# Altium PCB QCPower Rev A.PcbDoc (part 1 of 5) (continued)
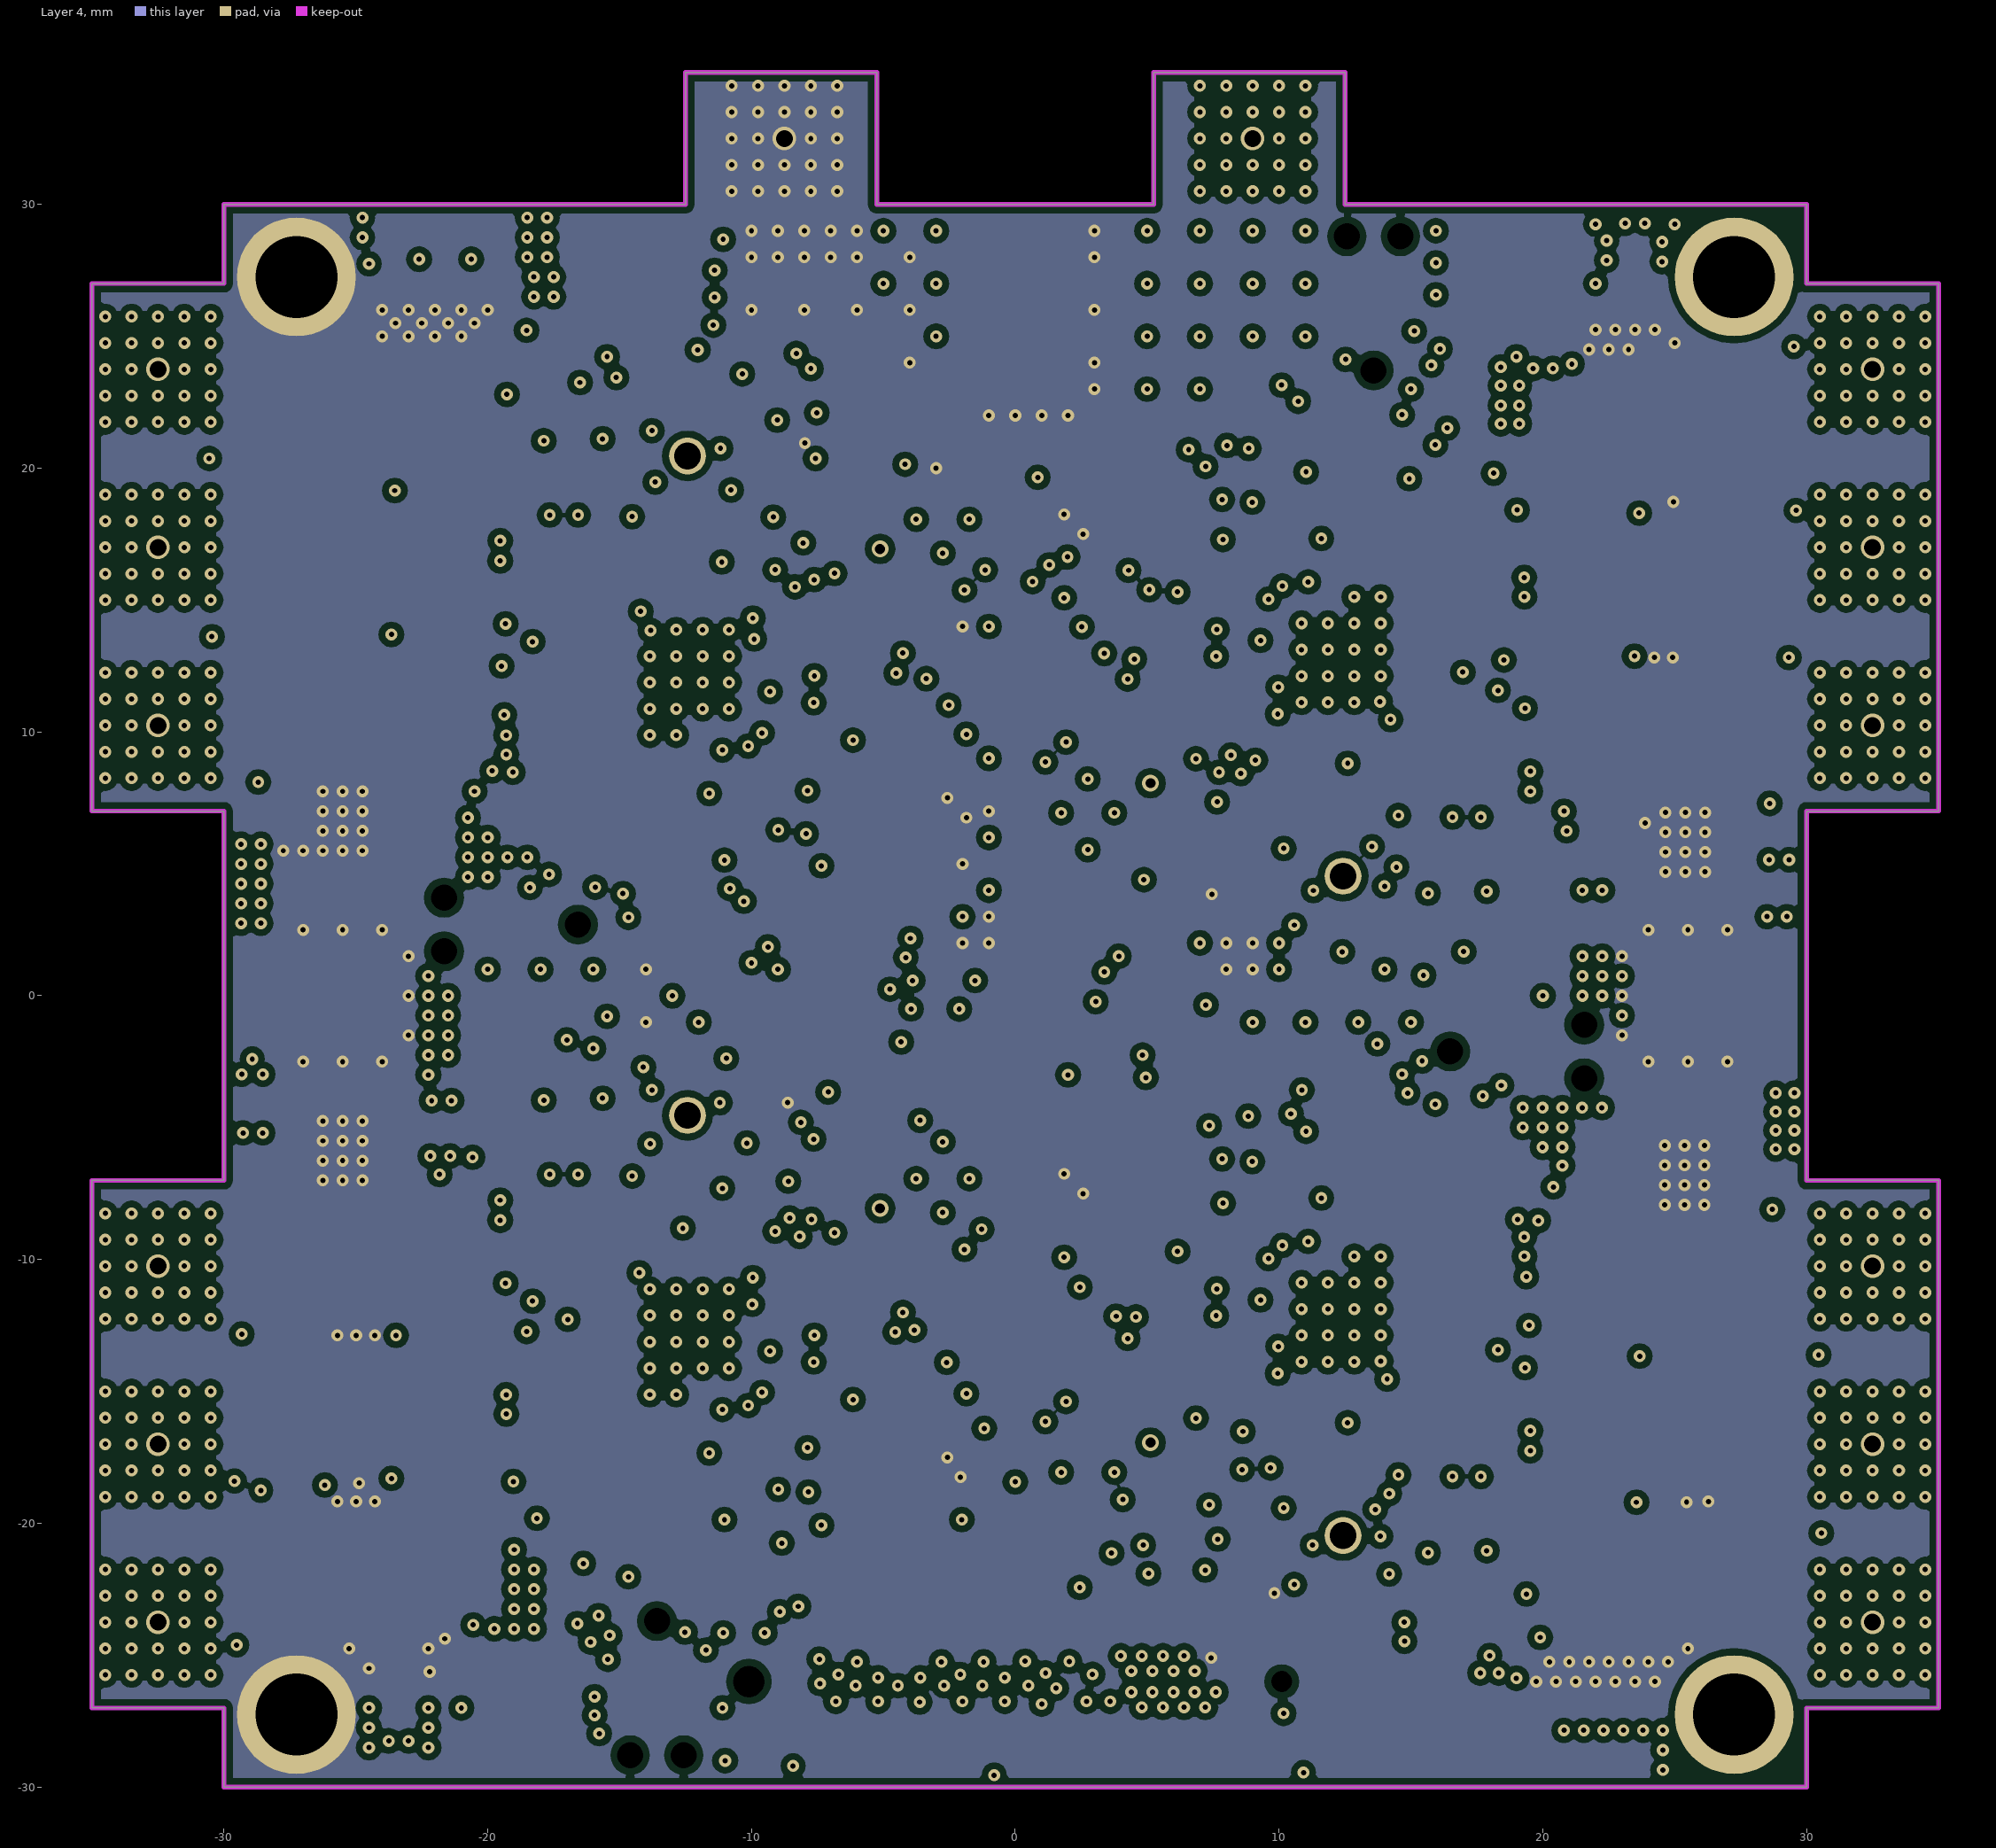
[diagram p4: Layer 4]
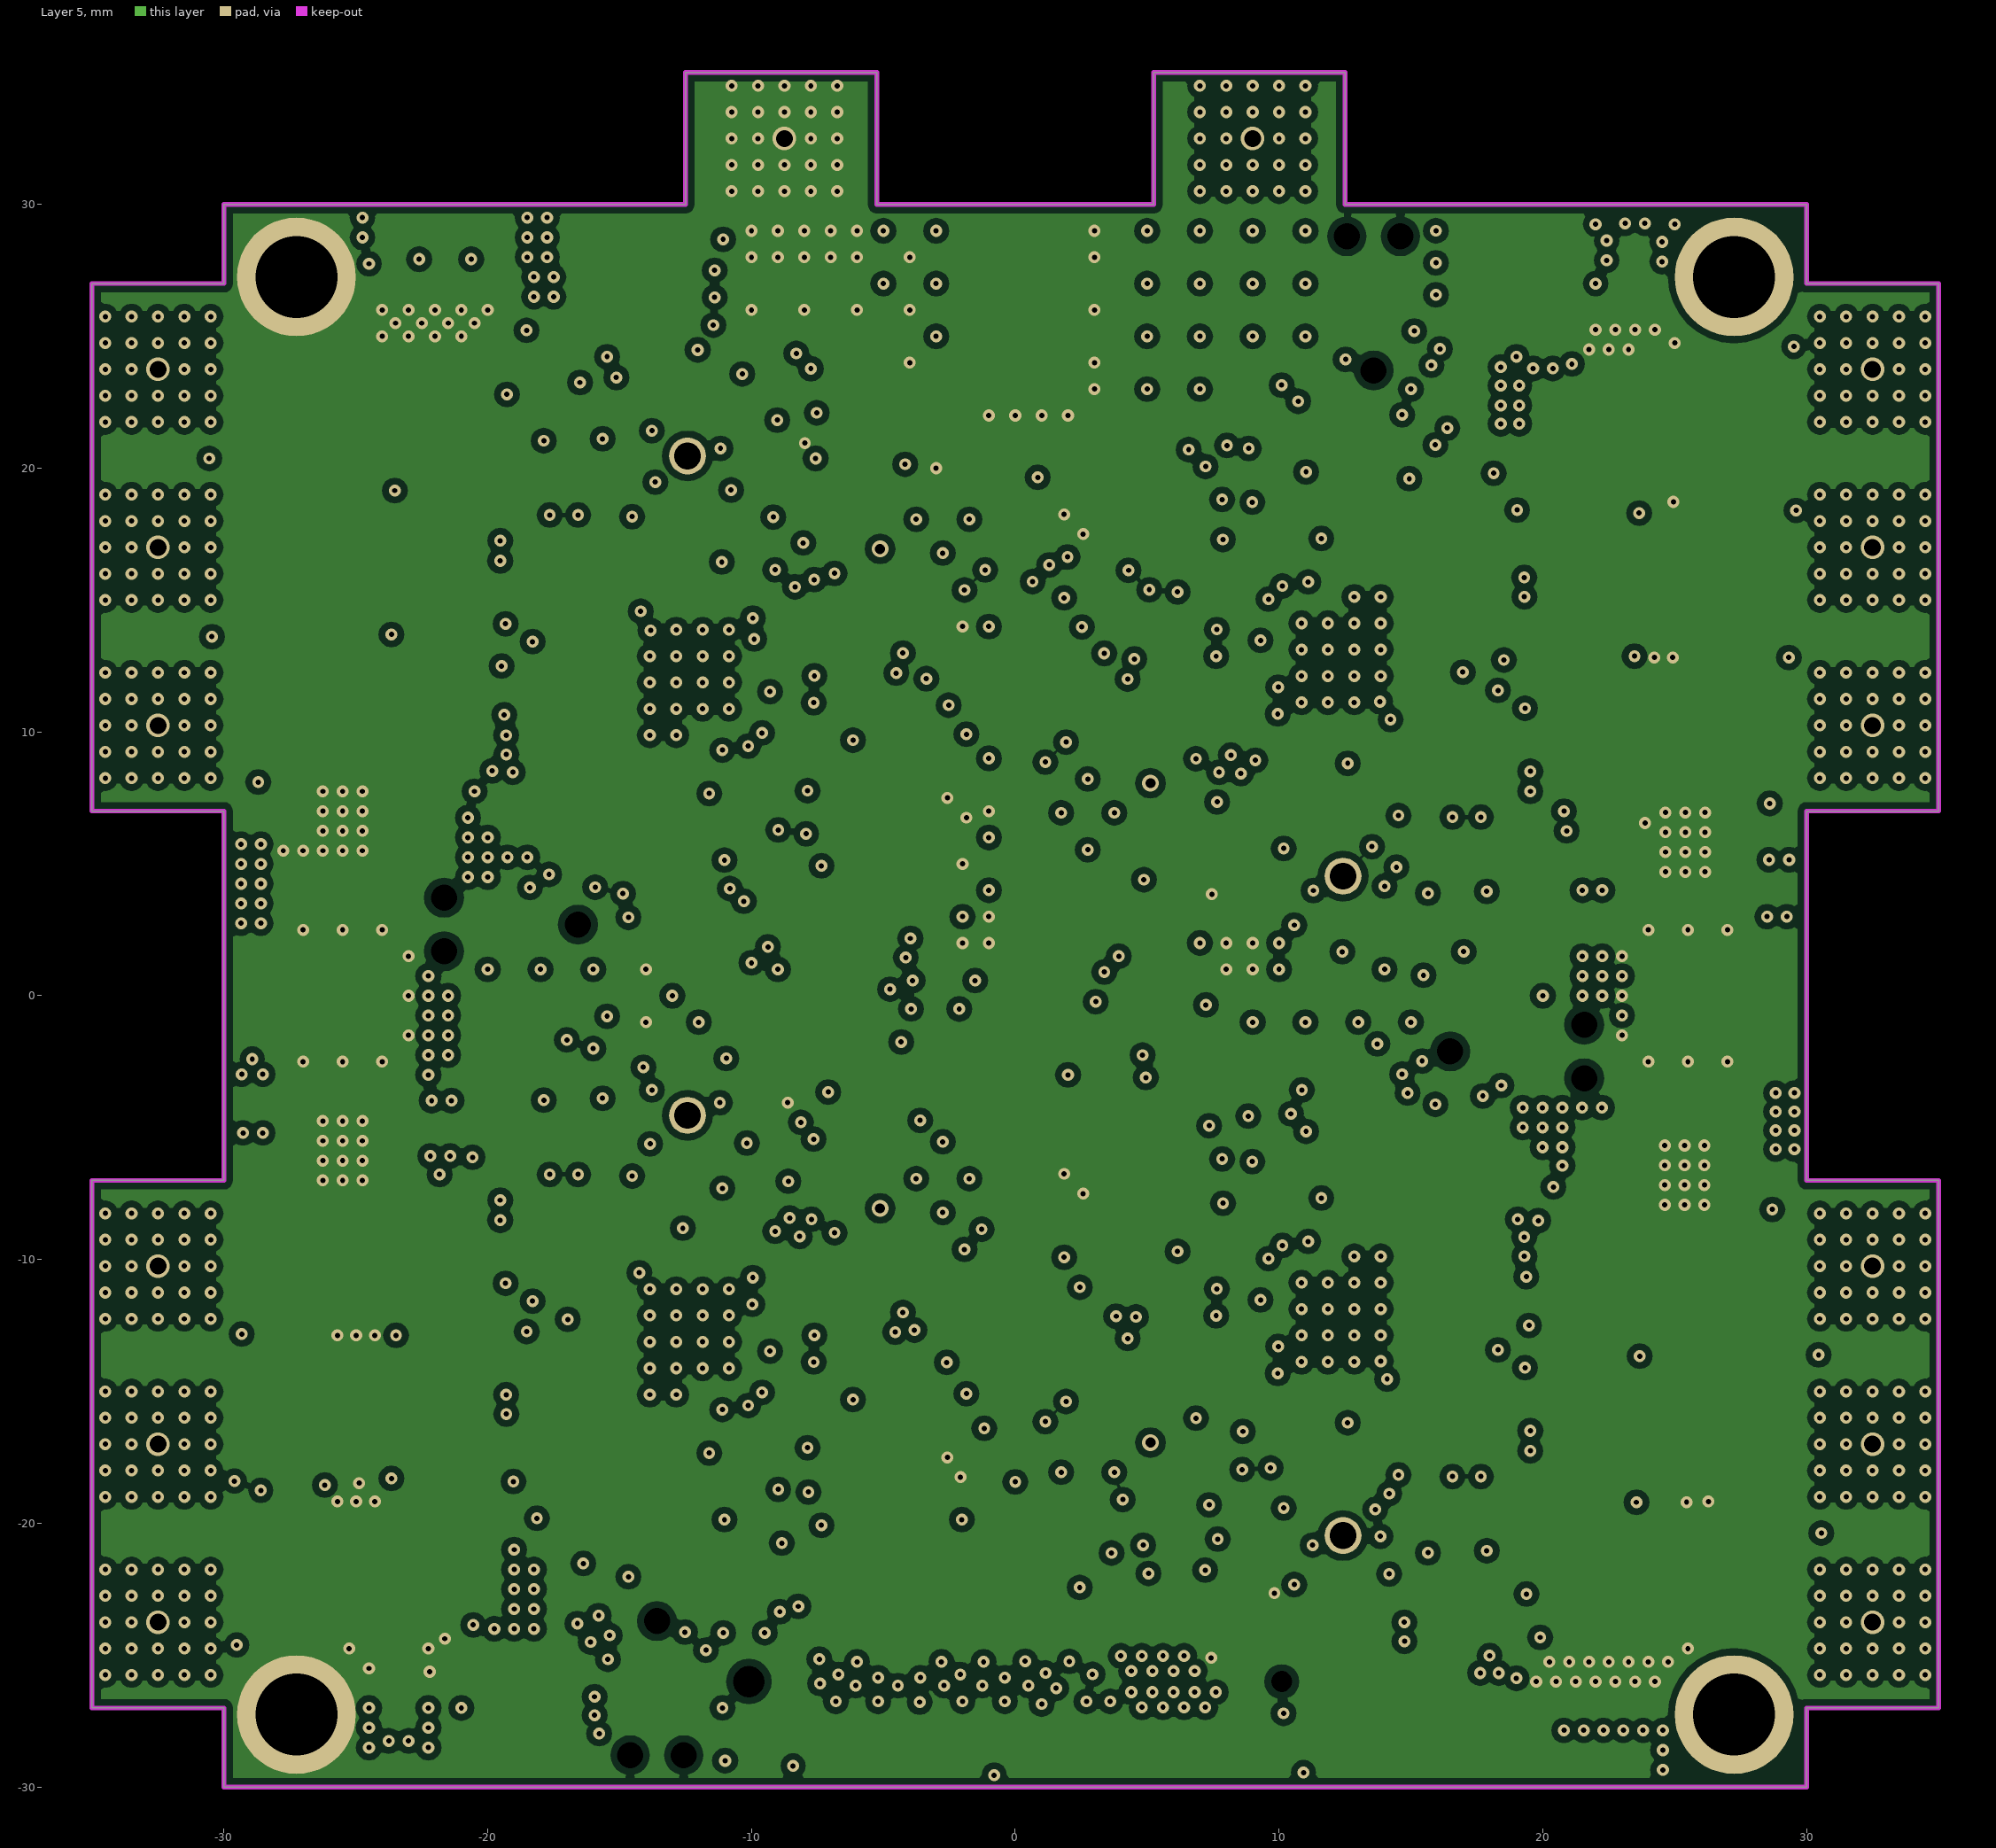
[diagram p5: Layer 5]
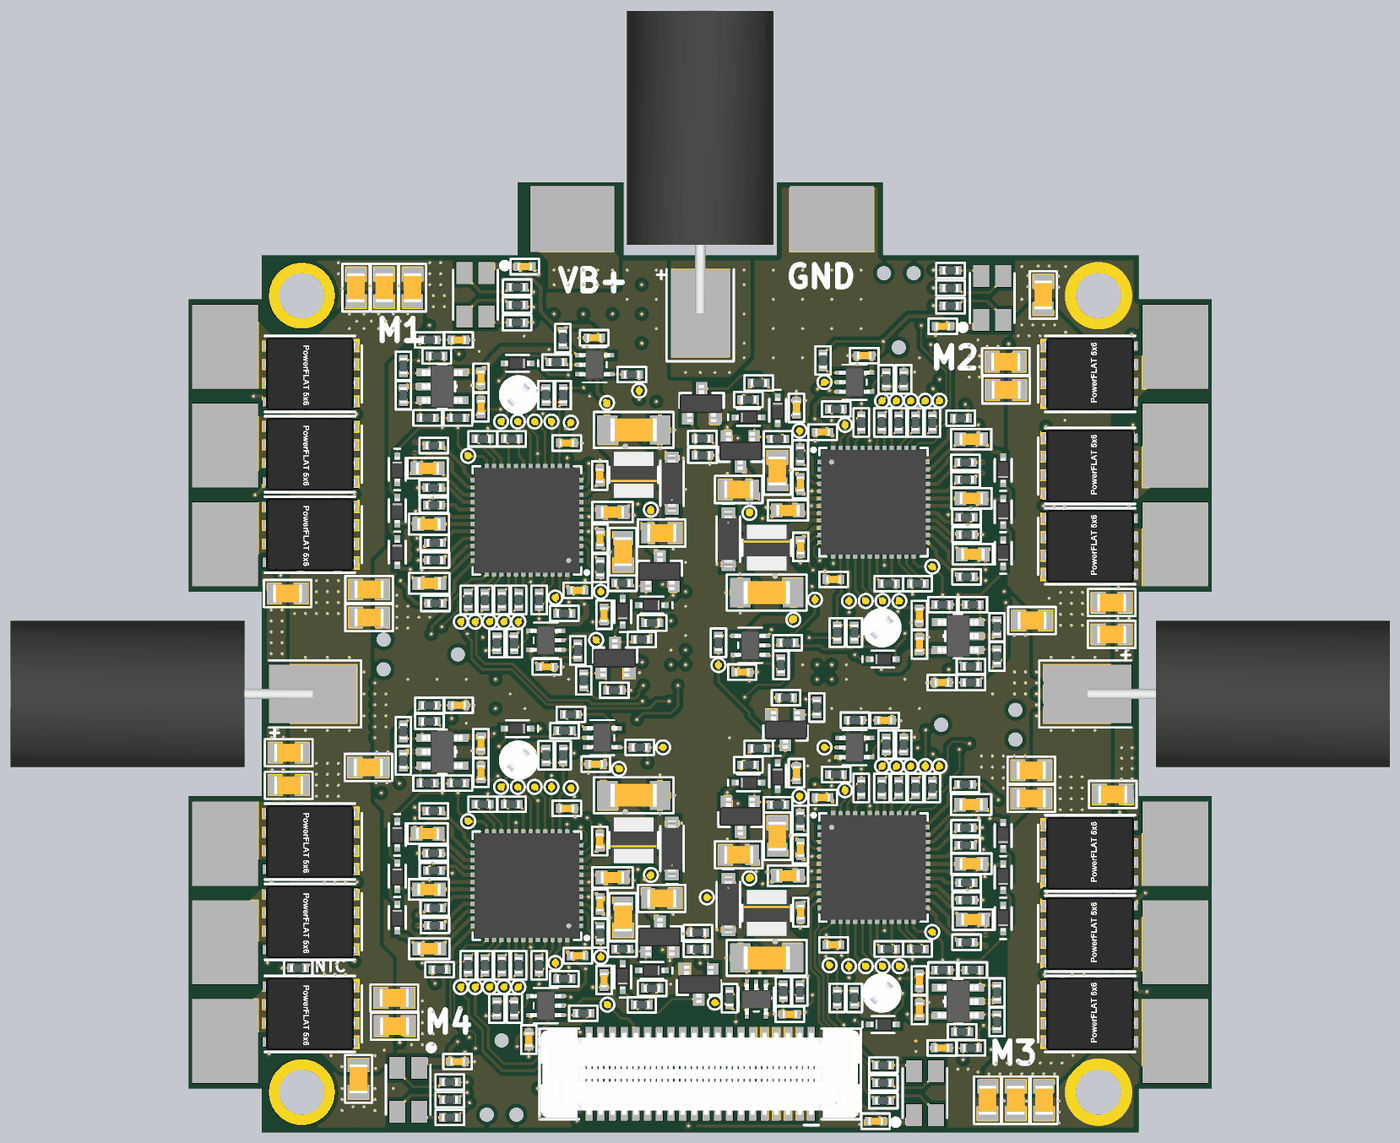
[diagram p10: 3D render of the assembled board from above, using the file's embedded part models]
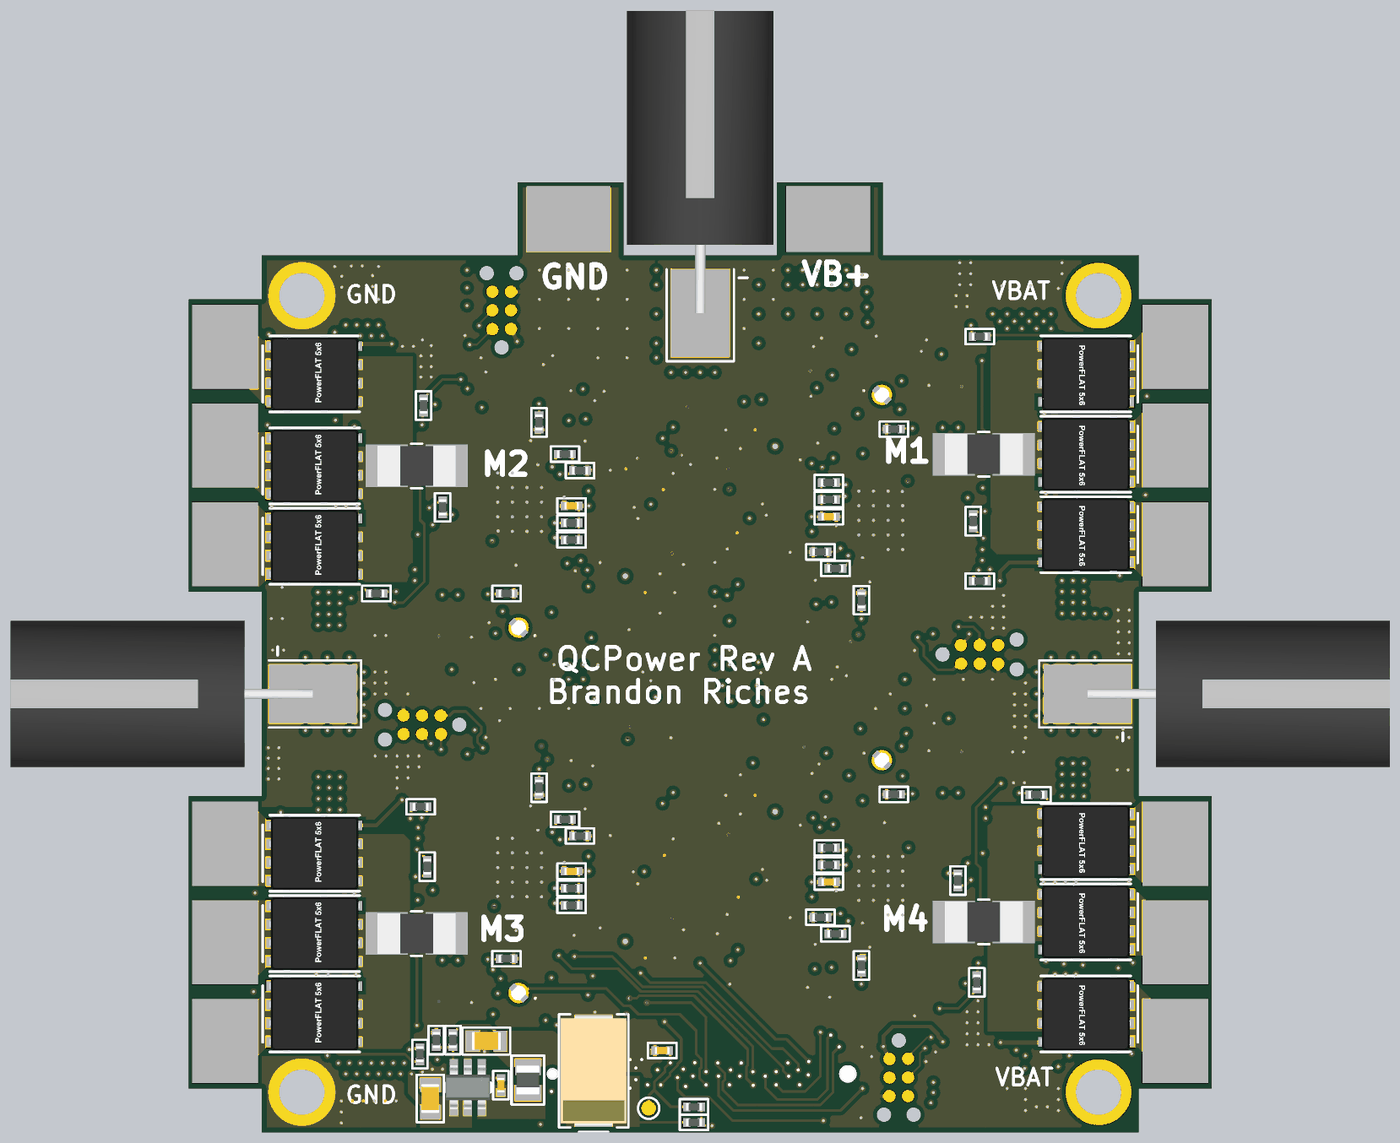
[diagram p11: 3D render of the assembled board from below, using the file's embedded part models]

## Layer stack, top to bottom
Top Solder: solder mask 0.0102, Solder Resist, Dk 3.5
Layer 1: signal copper 0.0356
Dielectric 1: prepreg 0.1, PP-006, Dk 4.29
Layer 2: signal copper 0.0178
Dielectric 2: core 0.565, Core-009, Dk 4.5
Layer 3: signal copper 0.0178
Dielectric3: prepreg 0.127, PP-006, Dk 4.29
Layer 4: signal copper 0.0178
Dielectric 3: core 0.565, Core-009, Dk 4.5
Layer 5: signal copper 0.0178
Dielectric2: prepreg 0.1, PP-006, Dk 4.29
Layer 6: signal copper 0.0356
Bottom Solder: solder mask 0.0102, Solder Resist, Dk 3.5

## Board outline
-35,-27 -30,-27 -30,-30 30,-30 30,-27 35,-27 35,-7 30,-7 30,7 35,7 35,27 30,27 30,30 27,30 12.5,30 12.5,35 5.25,35 5.25,30 -5.25,30 -5.25,35 -12.5,35 -12.5,30 -27,30 -30,30 -30,27 -35,27 -35,7 -30,7 -30,-7 -35,-7

## Design rules (kind name [scope] priority, off if disabled: settings)
Clearance [All] p1: gap=0.127 ignorepadtopadclearanceinfootprint=FALSE except(0.254: Arc-Poly Track-Poly Track-Hole SMDPad-Poly THPad-Poly Via-Poly Fill-Poly Poly-Poly; 0.33: Track-THPad; 0.5: THPad-THPad)
ComponentClearance [NOT HasFootprint('CONN EDGE PCIE MINI CARD')] p1 off: gap=0.6 collisioncheckmode=3 verticalgap=0.254 showdistances=FALSE
HoleSize [All] p1: absolutevalues=TRUE maxlimit=5.08 minlimit=0.2 maxpercent=80.000 minpercent=20.000
HoleToHoleClearance [All] p1: gap=0.5 allowstackedmicrovias=TRUE
MinimumAnnularRing [All] p1: minimumring=0.102
MinimumSolderMaskSliver [All] p1: minsoldermaskwidth=0.149
PolygonConnect PolygonConnectVIa [IsVia] p1: connectstyle=Direct reliefconductorwidth=0.254 reliefentries=4 polygonreliefangle="90 Angle" airgapwidth=0.254
PolygonConnect PolygonConnect_1 [All] p2: connectstyle=Relief reliefconductorwidth=0.254 reliefentries=4 polygonreliefangle="90 Angle" airgapwidth=0.254
RoomDefinition BLDC2 [InComponentClass('BLDC2')] p1: confinementstyle=ConfineIn formatcopy=TRUE lockcomponents=FALSE outline -2.389,-0.106 35.061,-0.106 35.061,29.844 -2.389,29.844
RoomDefinition "U_QCPower Rev A Sht1 Logic Connector" [InComponentClass('U_QCPower Rev A Sht1 Logic Connector')] p2 off: confinementstyle=ConfineIn formatcopy=TRUE lockcomponents=FALSE outline -47.639,-36.156 47.811,-36.156 47.811,47.019 -47.639,47.019
RoomDefinition BLDC4 [InComponentClass('BLDC4')] p3: confinementstyle=ConfineIn formatcopy=TRUE lockcomponents=FALSE outline -35.064,-29.856 2.386,-29.856 2.386,0.094 -35.064,0.094
RoomDefinition BLDC3 [InComponentClass('BLDC3')] p4: confinementstyle=ConfineIn formatcopy=TRUE lockcomponents=FALSE outline -4.036,-30.106 35.061,-30.106 35.061,0.619 -4.036,0.619
RoomDefinition BLDC1 [InComponentClass('BLDC1')] p5: confinementstyle=ConfineIn formatcopy=TRUE lockcomponents=FALSE outline -35.064,-0.631 -0.439,-0.631 -0.439,30.094 -35.064,30.094
RoutingLayers RoutingLayersPoly [IsPoly] p1: top layer_v5=TRUE mid layer 1_v5=TRUE mid layer 2_v5=TRUE mid layer 3_v5=TRUE mid layer 4_v5=TRUE bottom layer_v5=TRUE
RoutingLayers RoutingLayersTracks [All] p2: top layer_v5=TRUE mid layer 1_v5=TRUE mid layer 2_v5=TRUE mid layer 3_v5=TRUE mid layer 4_v5=FALSE bottom layer_v5=TRUE
RoutingVias [All] p1: holewidth=0.203 width=0.457 viastyle="Through Hole" minholewidth=0.2 minwidth=0.45 maxholewidth=5.08 maxwidth=5.08
SilkToSilkClearance [All] p1 off: silktosilkclearance=0.025
SilkToSolderMaskClearance [IsPad] p1: minsilkscreentomaskgap=0.15 clearancetoexposedcopper=TRUE
SolderMaskExpansion [All] p1: expansion=0.05
Width Width50 [InNetClass('WIFI')     OR InNetClass('FLASH')] p1: maxlimit=0.18 minlimit=0.035 preferedwidth=0.119 toplayer_minwidth=0.178 toplayer_prefwidth=0.178 midlayer1_minwidth=0.114 midlayer1_maxwidth=0.115 midlayer1_prefwidth=0.114 midlayer2_minwidth=0.114 midlayer2_maxwidth=0.115 midlayer2_prefwidth=0.114 midlayer3_maxwidth=0.119 midlayer4_maxwidth=0.119 bottomlayer_minwidth=0.178 bottomlayer_prefwidth=0.178 minimp=50.000000 maximp=50.000000 favimp=50.000000
Width [All] p2: maxlimit=20 minlimit=0.114 preferedwidth=0.127 toplayer_prefwidth=0.178 bottomlayer_prefwidth=0.178 minimp=50.000000 maximp=50.000000 favimp=50.000000
23 further rules are at their usual default settings.

## Classes and differential pairs
net class FG_BUS[4..1]: FG_BUS1 FG_BUS2 FG_BUS3 FG_BUS4
net class CTRL_PWM[4..1]: CTRL_PWM1 CTRL_PWM2 CTRL_PWM3 CTRL_PWM4
net class BLDC_nRESET[4..1]: BLDC_nRESET1 BLDC_nRESET2 BLDC_nRESET3 BLDC_nRESET4
net class BLDC_BOOTSEL[4..1]: BLDC_BOOTSEL1 BLDC_BOOTSEL2 BLDC_BOOTSEL3 BLDC_BOOTSEL4
net class BLDC_BOOTLOADER_TX[4..1]: BLDC_BOOTLOADER_TX1 BLDC_BOOTLOADER_TX2 BLDC_BOOTLOADER_TX3 BLDC_BOOTLOADER_TX4
net class BLDC_BOOTLOADER_RX[4..1]: BLDC_BOOTLOADER_RX1 BLDC_BOOTLOADER_RX2 BLDC_BOOTLOADER_RX3 BLDC_BOOTLOADER_RX4
channel class "QCPower Rev A Sht2 BLDC Controller": BLDC1 BLDC2 BLDC3 BLDC4
net class ARM_BUS[4..1]: ARM_BUS1 ARM_BUS2 ARM_BUS3 ARM_BUS4
component class "U_QCPower Rev A Sht1 Logic Connector": C100 C101 C102 C103 C104 C107 C108 C109 J100 J101 J102 L100 R100 R101 R102 R103 R104 TP100 U100
component class BLDC4: C200_4 C201_4 C202_4 C203_4 C204_4 C205_4 C206_4 C207_4 C208_4 C209_4 C210_4 C211_4 C212_4 C213_4 C214_4 C215_4 C216_4 C217_4 C218_4 C219_4 C220_4 C221_4 C222_4 C223_4 C224_4 D200_4 D201_4 D202_4 D203_4 D204_4 D205_4 D206_4 D207_4 J200_4 J201_4 J202_4 J203_4 L200_4 Q200_4 Q201_4 Q202_4 Q203_4 Q204_4 Q205_4 Q206_4 Q207_4 R200_4 R201_4 R202_4 R203_4 R204_4 R205_4 R206_4 R207_4 R208_4 R209_4 R210_4 R211_4 R212_4 R213_4 R214_4 R215_4 R216_4 R217_4 R218_4 R219_4 R220_4 R221_4 R222_4 R223_4 R224_4 R225_4 R226_4 R227_4 R228_4 R229_4 R230_4 R231_4 R232_4 R233_4 R234_4 R235_4 R236_4 R237_4 R238_4 R239_4 R240_4 R241_4 R242_4 R243_4 R244_4 R245_4 R246_4 TP200_4 TP201_4 TP202_4 TP203_4 TP204_4 TP205_4 TP206_4 TP207_4 TP208_4 TP209_4 TP210_4 TP211_4 TP214_4 TP219_4 TP220_4 TP222_4 TP224_4 TP225_4 U200_4 U201_4 U202_4 U203_4
component class BLDC3: C200_3 C201_3 C202_3 C203_3 C204_3 C205_3 C206_3 C207_3 C208_3 C209_3 C210_3 C211_3 C212_3 C213_3 C214_3 C215_3 C216_3 C217_3 C218_3 C219_3 C220_3 C221_3 C222_3 C223_3 C224_3 D200_3 D201_3 D202_3 D203_3 D204_3 D205_3 D206_3 D207_3 J200_3 J201_3 J202_3 J203_3 L200_3 Q200_3 Q201_3 Q202_3 Q203_3 Q204_3 Q205_3 Q206_3 Q207_3 R200_3 R201_3 R202_3 R203_3 R204_3 R205_3 R206_3 R207_3 R208_3 R209_3 R210_3 R211_3 R212_3 R213_3 R214_3 R215_3 R216_3 R217_3 R218_3 R219_3 R220_3 R221_3 R222_3 R223_3 R224_3 R225_3 R226_3 R227_3 R228_3 R229_3 R230_3 R231_3 R232_3 R233_3 R234_3 R235_3 R236_3 R237_3 R238_3 R239_3 R240_3 R241_3 R242_3 R243_3 R244_3 R245_3 R246_3 TP200_3 TP201_3 TP202_3 TP203_3 TP204_3 TP205_3 TP206_3 TP207_3 TP208_3 TP209_3 TP210_3 TP211_3 TP214_3 TP219_3 TP220_3 TP222_3 TP224_3 TP225_3 U200_3 U201_3 U202_3 U203_3
component class BLDC2: C200_2 C201_2 C202_2 C203_2 C204_2 C205_2 C206_2 C207_2 C208_2 C209_2 C210_2 C211_2 C212_2 C213_2 C214_2 C215_2 C216_2 C217_2 C218_2 C219_2 C220_2 C221_2 C222_2 C223_2 C224_2 D200_2 D201_2 D202_2 D203_2 D204_2 D205_2 D206_2 D207_2 J200_2 J201_2 J202_2 J203_2 L200_2 Q200_2 Q201_2 Q202_2 Q203_2 Q204_2 Q205_2 Q206_2 Q207_2 R200_2 R201_2 R202_2 R203_2 R204_2 R205_2 R206_2 R207_2 R208_2 R209_2 R210_2 R211_2 R212_2 R213_2 R214_2 R215_2 R216_2 R217_2 R218_2 R219_2 R220_2 R221_2 R222_2 R223_2 R224_2 R225_2 R226_2 R227_2 R228_2 R229_2 R230_2 R231_2 R232_2 R233_2 R234_2 R235_2 R236_2 R237_2 R238_2 R239_2 R240_2 R241_2 R242_2 R243_2 R244_2 R245_2 R246_2 TP200_2 TP201_2 TP202_2 TP203_2 TP204_2 TP205_2 TP206_2 TP207_2 TP208_2 TP209_2 TP210_2 TP211_2 TP214_2 TP219_2 TP220_2 TP222_2 TP224_2 TP225_2 U200_2 U201_2 U202_2 U203_2
component class BLDC1: C200_1 C201_1 C202_1 C203_1 C204_1 C205_1 C206_1 C207_1 C208_1 C209_1 C210_1 C211_1 C212_1 C213_1 C214_1 C215_1 C216_1 C217_1 C218_1 C219_1 C220_1 C221_1 C222_1 C223_1 C224_1 D200_1 D201_1 D202_1 D203_1 D204_1 D205_1 D206_1 D207_1 J200_1 J201_1 J202_1 J203_1 L200_1 Q200_1 Q201_1 Q202_1 Q203_1 Q204_1 Q205_1 Q206_1 Q207_1 R200_1 R201_1 R202_1 R203_1 R204_1 R205_1 R206_1 R207_1 R208_1 R209_1 R210_1 R211_1 R212_1 R213_1 R214_1 R215_1 R216_1 R217_1 R218_1 R219_1 R220_1 R221_1 R222_1 R223_1 R224_1 R225_1 R226_1 R227_1 R228_1 R229_1 R230_1 R231_1 R232_1 R233_1 R234_1 R235_1 R236_1 R237_1 R238_1 R239_1 R240_1 R241_1 R242_1 R243_1 R244_1 R245_1 R246_1 TP200_1 TP201_1 TP202_1 TP203_1 TP204_1 TP205_1 TP206_1 TP207_1 TP208_1 TP209_1 TP210_1 TP211_1 TP214_1 TP219_1 TP220_1 TP222_1 TP224_1 TP225_1 U200_1 U201_1 U202_1 U203_1

## Components (designator, comment, footprint, x,y, rotation, side; value= is the part's Value field where it differs from the comment)
C100 "4.7uF 50V" "SMD CAP 0805" 18.466,-27.686 r90 bottom
C101 "0.1uF" "SMD CAP 0402" 13.64,-26.772 r90 bottom
C102 "150uF" "SMD CAP TANT 2917" 7.29,-25.794 r90 bottom locked
C103 "10uF" "SMD CAP 0805" 14.63,-23.749 r0 bottom
C104 "0.01uF" "SMD CAP 0402" 2.6,-24.4 r0 bottom
C107 "220uF" "POLARIZED CAP THROUGH HOLE SIDE MOUNT" -26.5,0 r270 top locked
C108 "220uF" "POLARIZED CAP THROUGH HOLE SIDE MOUNT" 0,26.06 r180 top locked
C109 "220uF" "POLARIZED CAP THROUGH HOLE SIDE MOUNT" 26.5,0 r90 top locked
C200_1 "0.1uF" "SMD CAP 0402" -12,29.235 r180 top (schematic designator C200)
C200_2 "0.1uF" "SMD CAP 0402" 16.6,25.157 r0 top (schematic designator C200)
C200_3 "0.1uF" "SMD CAP 0402" 12,-29.235 r0 top (schematic designator C200)
C200_4 "0.1uF" "SMD CAP 0402" -16.6,-25.157 r180 top (schematic designator C200)
C201_1 "4.7uF 50V" "SMD CAP 0805" -23.55,27.8 r90 top (schematic designator C201)
C201_2 "4.7uF 50V" "SMD CAP 0805" 28.15,6.25 r0 top (schematic designator C201)
C201_3 "4.7uF 50V" "SMD CAP 0805" 23.525,-27.8 r270 top (schematic designator C201)
C201_4 "4.7uF 50V" "SMD CAP 0805" -28.15,-6.25 r180 top (schematic designator C201)
C202_1 "4.7uF 50V" "SMD CAP 0805" -28.225,6.875 r180 top (schematic designator C202)
C202_2 "4.7uF 50V" "SMD CAP 0805" 23.47,27.305 r90 top (schematic designator C202)
C202_3 "4.7uF 50V" "SMD CAP 0805" 28.225,-6.875 r0 top (schematic designator C202)
C202_4 "4.7uF 50V" "SMD CAP 0805" -23.368,-26.34 r270 top (schematic designator C202)
C203_1 "4.7uF 50V" "SMD CAP 0805" -22.65,7.15 r0 top (schematic designator C203)
C203_2 "4.7uF 50V" "SMD CAP 0805" 20.93,20.803 r180 top (schematic designator C203)
C203_3 "4.7uF 50V" "SMD CAP 0805" 22.65,-7.15 r180 top (schematic designator C203)
C203_4 "4.7uF 50V" "SMD CAP 0805" -20.93,-20.803 r0 top (schematic designator C203)
C204_1 "4.7uF 50V" "SMD CAP 0805" -21.613,27.8 r90 top (schematic designator C204)
C204_2 "4.7uF 50V" "SMD CAP 0805" 28.15,4.075 r0 top (schematic designator C204)
C204_3 "4.7uF 50V" "SMD CAP 0805" 21.588,-27.8 r270 top (schematic designator C204)
C204_4 "4.7uF 50V" "SMD CAP 0805" -28.15,-4.025 r180 top (schematic designator C204)
C205_1 "4.7uF 50V" "SMD CAP 0805" -19.675,27.8 r90 top (schematic designator C205)
C205_2 "4.7uF 50V" "SMD CAP 0805" 22.7,5.025 r180 top (schematic designator C205)
C205_3 "4.7uF 50V" "SMD CAP 0805" 19.65,-27.8 r270 top (schematic designator C205)
C205_4 "4.7uF 50V" "SMD CAP 0805" -22.7,-5.025 r0 top (schematic designator C205)
C206_1 "4.7uF 50V" "SMD CAP 0805" -22.65,5.225 r0 top (schematic designator C206)
C206_2 "4.7uF 50V" "SMD CAP 0805" 20.904,22.733 r180 top (schematic designator C206)
C206_3 "4.7uF 50V" "SMD CAP 0805" 22.65,-5.225 r180 top (schematic designator C206)
C206_4 "4.7uF 50V" "SMD CAP 0805" -20.904,-22.733 r0 top (schematic designator C206)
C207_1 "4.7uF 50V" "SMD CAP 0805" -2.636,11.012 r0 top (schematic designator C207)
C207_2 "4.7uF 50V" "SMD CAP 0805" 2.636,13.988 r180 top (schematic designator C207)
C207_3 "4.7uF 50V" "SMD CAP 0805" 2.636,-11.012 r180 top (schematic designator C207)
C207_4 "4.7uF 50V" "SMD CAP 0805" -2.636,-13.988 r0 top (schematic designator C207)
C208_1 "0.01uF" "SMD CAP 0402" -6.575,5.425 r270 top (schematic designator C208)
C208_2 "0.01uF" "SMD CAP 0402" 6.575,19.575 r90 top (schematic designator C208)
C208_3 "0.01uF" "SMD CAP 0402" 6.575,-5.425 r90 top (schematic designator C208)
C208_4 "0.01uF" "SMD CAP 0402" -6.575,-19.575 r270 top (schematic designator C208)
C209_1 "0.01uF" "SMD CAP 0402" -16.525,24.225 r0 top (schematic designator C209)
C209_2 "0.01uF" "SMD CAP 0402" 16.525,0.775 r180 top (schematic designator C209)
C209_3 "0.01uF" "SMD CAP 0402" 16.525,-24.225 r180 top (schematic designator C209)
C209_4 "0.01uF" "SMD CAP 0402" -16.525,-0.775 r0 top (schematic designator C209)
C210_1 "0.1uF" "SMD CAP 0402" -15,21.615 r90 top (schematic designator C210)
C210_2 "0.1uF" "SMD CAP 0402" 15,3.385 r270 top (schematic designator C210)
C210_3 "0.1uF" "SMD CAP 0402" 15,-21.615 r270 top (schematic designator C210)
C210_4 "0.1uF" "SMD CAP 0402" -15,-3.385 r90 top (schematic designator C210)
C211_1 "0.01uF" "SMD CAP 0402" -15,19.615 r90 top (schematic designator C211)
C211_2 "0.01uF" "SMD CAP 0402" 15,5.385 r270 top (schematic designator C211)
C211_3 "0.01uF" "SMD CAP 0402" 15,-19.615 r270 top (schematic designator C211)